# KiCad board demomatrix.kicad_pcb (continued)
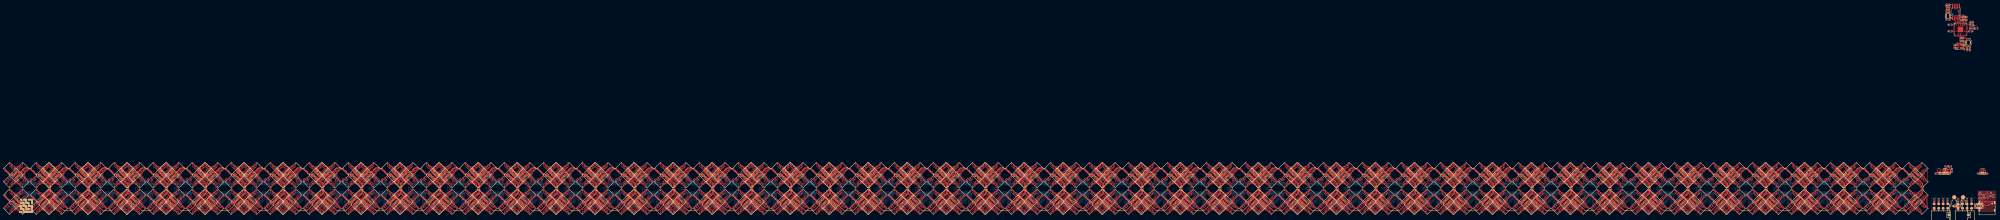
[diagram p0: board, top side]
## Routing (per net, layer and track width the routed paths; a pad name or vN(x,y) marks a point on that pad's centre or on a via; arc(x,y) is an arc through that point) (continued)
rgbs[1]-anodes-anode-304: length 9.3
  Top w0.2: LED434.4 -659.06,26.21 -659.06,25.22 -660.54,23.74 -660.79,23.74 -661.37,24.32 -662.01,24.32 -662.59,23.74 -662.84,23.74 -664.33,25.22 -664.33,26.2 LED433.3
rgbs[1]-anodes-anode-305: length 12.6
  Top w0.2: LED433.1 -665.17,27.06 -665.17,25.5 -663.01,23.34 -662.43,23.34 -661.84,23.92 -661.53,23.92 -660.95,23.34 -660.37,23.34 -658.21,25.49 -658.21,27.06 LED434.2
rgbs[1]-anodes-anode-306: length 4
  Top w0.2: LED434.6 -660.1,25.56 -661.12,25.56 -661.56,25.12 -661.82,25.12 -662.27,25.57 -663.47,25.57 LED433.5
rgbs[1]-anodes-anode-307: length 1.7
  Top w0.2: LED433.7 -662.42,24.72 -660.96,24.72 LED434.8
rgbs[1]-anodes-anode-308: length 9.3
  Top w0.2: LED438.4 -644.06,26.21 -644.06,25.22 -645.54,23.74 -645.79,23.74 -646.37,24.32 -647.01,24.32 -647.59,23.74 -647.84,23.74 -649.33,25.22 -649.33,26.2 LED437.3
rgbs[1]-anodes-anode-309: length 12.6
  Top w0.2: LED437.1 -650.17,27.06 -650.17,25.5 -648.01,23.34 -647.43,23.34 -646.84,23.92 -646.53,23.92 -645.95,23.34 -645.37,23.34 -643.21,25.49 -643.21,27.06 LED438.2
rgbs[1]-anodes-anode-310: length 4
  Top w0.2: LED437.5 -648.47,25.57 -647.27,25.57 -646.82,25.12 -646.56,25.12 -646.12,25.56 -645.1,25.56 LED438.6
rgbs[1]-anodes-anode-311: length 1.7
  Top w0.2: LED437.7 -647.42,24.72 -645.96,24.72 LED438.8
rgbs[1]-anodes-anode-312: length 9.3
  Top w0.2: LED441.3 -664.33,11.2 -664.33,10.22 -662.84,8.74 -662.59,8.74 -662.01,9.32 -661.37,9.32 -660.79,8.74 -660.54,8.74 -659.06,10.22 -659.06,11.21 LED442.4
rgbs[1]-anodes-anode-313: length 12.6
  Top w0.2: LED441.1 -665.17,12.06 -665.17,10.5 -663.01,8.34 -662.43,8.34 -661.84,8.92 -661.53,8.92 -660.95,8.34 -660.37,8.34 -658.21,10.49 -658.21,12.06 LED442.2
rgbs[1]-anodes-anode-314: length 4
  Top w0.2: LED442.6 -660.1,10.56 -661.12,10.56 -661.56,10.12 -661.82,10.12 -662.27,10.57 -663.47,10.57 LED441.5
rgbs[1]-anodes-anode-315: length 1.7
  Top w0.2: LED441.7 -662.42,9.72 -660.96,9.72 LED442.8
rgbs[1]-anodes-anode-316: length 9.3
  Top w0.2: LED445.3 -649.33,11.2 -649.33,10.22 -647.84,8.74 -647.59,8.74 -647.01,9.32 -646.37,9.32 -645.79,8.74 -645.54,8.74 -644.06,10.22 -644.06,11.21 LED446.4
rgbs[1]-anodes-anode-317: length 12.6
  Top w0.2: LED446.2 -643.21,12.06 -643.21,10.49 -645.37,8.34 -645.95,8.34 -646.53,8.92 -646.84,8.92 -647.43,8.34 -648.01,8.34 -650.17,10.5 -650.17,12.06 LED445.1
rgbs[1]-anodes-anode-318: length 4
  Top w0.2: LED445.5 -648.47,10.57 -647.27,10.57 -646.82,10.12 -646.56,10.12 -646.12,10.56 -645.1,10.56 LED446.6
rgbs[1]-anodes-anode-319: length 1.7
  Top w0.2: LED445.7 -647.42,9.72 -645.96,9.72 LED446.8
rgbs[1]-anodes-anode-320: length 9.3
  Top w0.2: LED449.3 -642.33,26.2 -642.33,25.22 -640.84,23.74 -640.59,23.74 -640.01,24.32 -639.37,24.32 -638.79,23.74 -638.54,23.74 -637.06,25.22 -637.06,26.21 LED450.4
rgbs[1]-anodes-anode-321: length 12.6
  Top w0.2: LED450.2 -636.21,27.06 -636.21,25.49 -638.37,23.34 -638.95,23.34 -639.53,23.92 -639.84,23.92 -640.43,23.34 -641.01,23.34 -643.17,25.5 -643.17,27.06 LED449.1
rgbs[1]-anodes-anode-322: length 4
  Top w0.2: LED450.6 -638.1,25.56 -639.12,25.56 -639.56,25.12 -639.82,25.12 -640.27,25.57 -641.47,25.57 LED449.5
rgbs[1]-anodes-anode-323: length 1.7
  Top w0.2: LED449.7 -640.42,24.72 -638.96,24.72 LED450.8
rgbs[1]-anodes-anode-324: length 9.3
  Top w0.2: LED453.3 -627.33,26.2 -627.33,25.22 -625.84,23.74 -625.59,23.74 -625.01,24.32 -624.37,24.32 -623.79,23.74 -623.54,23.74 -622.06,25.22 -622.06,26.21 LED454.4
rgbs[1]-anodes-anode-325: length 12.6
  Top w0.2: LED454.2 -621.21,27.06 -621.21,25.49 -623.37,23.34 -623.95,23.34 -624.53,23.92 -624.84,23.92 -625.43,23.34 -626.01,23.34 -628.17,25.5 -628.17,27.06 LED453.1
rgbs[1]-anodes-anode-326: length 4
  Top w0.2: LED453.5 -626.47,25.57 -625.27,25.57 -624.82,25.12 -624.56,25.12 -624.12,25.56 -623.1,25.56 LED454.6
rgbs[1]-anodes-anode-327: length 1.7
  Top w0.2: LED454.8 -623.96,24.72 -625.42,24.72 LED453.7
rgbs[1]-anodes-anode-328: length 9.3
  Top w0.2: LED457.3 -642.33,11.2 -642.33,10.22 -640.84,8.74 -640.59,8.74 -640.01,9.32 -639.37,9.32 -638.79,8.74 -638.54,8.74 -637.06,10.22 -637.06,11.21 LED458.4
rgbs[1]-anodes-anode-329: length 12.6
  Top w0.2: LED457.1 -643.17,12.06 -643.17,10.5 -641.01,8.34 -640.43,8.34 -639.84,8.92 -639.53,8.92 -638.95,8.34 -638.37,8.34 -636.21,10.49 -636.21,12.06 LED458.2
rgbs[1]-anodes-anode-330: length 4
  Top w0.2: LED458.6 -638.1,10.56 -639.12,10.56 -639.56,10.12 -639.82,10.12 -640.27,10.57 -641.47,10.57 LED457.5
rgbs[1]-anodes-anode-331: length 1.7
  Top w0.2: LED458.8 -638.96,9.72 -640.42,9.72 LED457.7
rgbs[1]-anodes-anode-332: length 9.3
  Top w0.2: LED462.4 -622.06,11.21 -622.06,10.22 -623.54,8.74 -623.79,8.74 -624.37,9.32 -625.01,9.32 -625.59,8.74 -625.84,8.74 -627.33,10.22 -627.33,11.2 LED461.3
rgbs[1]-anodes-anode-333: length 12.6
  Top w0.2: LED462.2 -621.21,12.06 -621.21,10.49 -623.37,8.34 -623.95,8.34 -624.53,8.92 -624.84,8.92 -625.43,8.34 -626.01,8.34 -628.17,10.5 -628.17,12.06 LED461.1
rgbs[1]-anodes-anode-334: length 4
  Top w0.2: LED461.5 -626.47,10.57 -625.27,10.57 -624.82,10.12 -624.56,10.12 -624.12,10.56 -623.1,10.56 LED462.6
rgbs[1]-anodes-anode-335: length 1.7
  Top w0.2: LED462.8 -623.96,9.72 -625.42,9.72 LED461.7
rgbs[1]-anodes-anode-336: length 9.3
  Top w0.2: LED466.4 -615.06,26.21 -615.06,25.22 -616.54,23.74 -616.79,23.74 -617.37,24.32 -618.01,24.32 -618.59,23.74 -618.84,23.74 -620.33,25.22 -620.33,26.2 LED465.3
rgbs[1]-anodes-anode-337: length 12.6
  Top w0.2: LED466.2 -614.21,27.06 -614.21,25.49 -616.37,23.34 -616.95,23.34 -617.53,23.92 -617.84,23.92 -618.43,23.34 -619.01,23.34 -621.17,25.5 -621.17,27.06 LED465.1
rgbs[1]-anodes-anode-338: length 4
  Top w0.2: LED465.5 -619.47,25.57 -618.27,25.57 -617.82,25.12 -617.56,25.12 -617.12,25.56 -616.1,25.56 LED466.6
rgbs[1]-anodes-anode-339: length 1.7
  Top w0.2: LED465.7 -618.42,24.72 -616.96,24.72 LED466.8
rgbs[1]-anodes-anode-340: length 9.3
  Top w0.2: LED469.3 -605.33,26.2 -605.33,25.22 -603.84,23.74 -603.59,23.74 -603.01,24.32 -602.37,24.32 -601.79,23.74 -601.54,23.74 -600.06,25.22 -600.06,26.21 LED470.4
rgbs[1]-anodes-anode-341: length 12.6
  Top w0.2: LED470.2 -599.21,27.06 -599.21,25.49 -601.37,23.34 -601.95,23.34 -602.53,23.92 -602.84,23.92 -603.43,23.34 -604.01,23.34 -606.17,25.5 -606.17,27.06 LED469.1
rgbs[1]-anodes-anode-342: length 4
  Top w0.2: LED469.5 -604.47,25.57 -603.27,25.57 -602.82,25.12 -602.56,25.12 -602.12,25.56 -601.1,25.56 LED470.6
rgbs[1]-anodes-anode-343: length 1.7
  Top w0.2: LED470.8 -601.96,24.72 -603.42,24.72 LED469.7
rgbs[1]-anodes-anode-344: length 9.3
  Top w0.2: LED474.4 -615.06,11.21 -615.06,10.22 -616.54,8.74 -616.79,8.74 -617.37,9.32 -618.01,9.32 -618.59,8.74 -618.84,8.74 -620.33,10.22 -620.33,11.2 LED473.3
rgbs[1]-anodes-anode-345: length 12.6
  Top w0.2: LED473.1 -621.17,12.06 -621.17,10.5 -619.01,8.34 -618.43,8.34 -617.84,8.92 -617.53,8.92 -616.95,8.34 -616.37,8.34 -614.21,10.49 -614.21,12.06 LED474.2
rgbs[1]-anodes-anode-346: length 4
  Top w0.2: LED473.5 -619.47,10.57 -618.27,10.57 -617.82,10.12 -617.56,10.12 -617.12,10.56 -616.1,10.56 LED474.6
rgbs[1]-anodes-anode-347: length 1.7
  Top w0.2: LED473.7 -618.42,9.72 -616.96,9.72 LED474.8
rgbs[1]-anodes-anode-348: length 9.3
  Top w0.2: LED477.3 -605.33,11.2 -605.33,10.22 -603.84,8.74 -603.59,8.74 -603.01,9.32 -602.37,9.32 -601.79,8.74 -601.54,8.74 -600.06,10.22 -600.06,11.21 LED478.4
rgbs[1]-anodes-anode-349: length 12.6
  Top w0.2: LED478.2 -599.21,12.06 -599.21,10.49 -601.37,8.34 -601.95,8.34 -602.53,8.92 -602.84,8.92 -603.43,8.34 -604.01,8.34 -606.17,10.5 -606.17,12.06 LED477.1
rgbs[1]-anodes-anode-350: length 4
  Top w0.2: LED477.5 -604.47,10.57 -603.27,10.57 -602.82,10.12 -602.56,10.12 -602.12,10.56 -601.1,10.56 LED478.6
rgbs[1]-anodes-anode-351: length 1.7
  Top w0.2: LED477.7 -603.42,9.72 -601.96,9.72 LED478.8
rgbs[1]-anodes-anode-352: length 9.3
  Top w0.2: LED34.4 -593.06,26.21 -593.06,25.22 -594.54,23.74 -594.79,23.74 -595.37,24.32 -596.01,24.32 -596.59,23.74 -596.84,23.74 -598.33,25.22 -598.33,26.2 LED33.3
rgbs[1]-anodes-anode-353: length 12.6
  Top w0.2: LED33.1 -599.17,27.06 -599.17,25.5 -597.01,23.34 -596.43,23.34 -595.84,23.92 -595.53,23.92 -594.95,23.34 -594.37,23.34 -592.21,25.49 -592.21,27.06 LED34.2
rgbs[1]-anodes-anode-354: length 4
  Top w0.2: LED33.5 -597.47,25.57 -596.27,25.57 -595.82,25.12 -595.56,25.12 -595.12,25.56 -594.1,25.56 LED34.6
rgbs[1]-anodes-anode-355: length 1.7
  Top w0.2: LED33.7 -596.42,24.72 -594.96,24.72 LED34.8
rgbs[1]-anodes-anode-356: length 9.3
  Top w0.2: LED37.3 -583.33,26.2 -583.33,25.22 -581.84,23.74 -581.59,23.74 -581.01,24.32 -580.37,24.32 -579.79,23.74 -579.54,23.74 -578.06,25.22 -578.06,26.21 LED38.4
rgbs[1]-anodes-anode-357: length 12.6
  Top w0.2: LED38.2 -577.21,27.06 -577.21,25.49 -579.37,23.34 -579.95,23.34 -580.53,23.92 -580.84,23.92 -581.43,23.34 -582.01,23.34 -584.17,25.5 -584.17,27.06 LED37.1
rgbs[1]-anodes-anode-358: length 4
  Top w0.2: LED38.6 -579.1,25.56 -580.12,25.56 -580.56,25.12 -580.82,25.12 -581.27,25.57 -582.47,25.57 LED37.5
rgbs[1]-anodes-anode-359: length 1.7
  Top w0.2: LED38.8 -579.96,24.72 -581.42,24.72 LED37.7
rgbs[1]-anodes-anode-360: length 9.3
  Top w0.2: LED41.3 -598.33,11.2 -598.33,10.22 -596.84,8.74 -596.59,8.74 -596.01,9.32 -595.37,9.32 -594.79,8.74 -594.54,8.74 -593.06,10.22 -593.06,11.21 LED42.4
rgbs[1]-anodes-anode-361: length 12.6
  Top w0.2: LED41.1 -599.17,12.06 -599.17,10.5 -597.01,8.34 -596.43,8.34 -595.84,8.92 -595.53,8.92 -594.95,8.34 -594.37,8.34 -592.21,10.49 -592.21,12.06 LED42.2
rgbs[1]-anodes-anode-362: length 4
  Top w0.2: LED41.5 -597.47,10.57 -596.27,10.57 -595.82,10.12 -595.56,10.12 -595.12,10.56 -594.1,10.56 LED42.6
rgbs[1]-anodes-anode-363: length 1.7
  Top w0.2: LED42.8 -594.96,9.72 -596.42,9.72 LED41.7
rgbs[1]-anodes-anode-364: length 9.3
  Top w0.2: LED46.4 -578.06,11.21 -578.06,10.22 -579.54,8.74 -579.79,8.74 -580.37,9.32 -581.01,9.32 -581.59,8.74 -581.84,8.74 -583.33,10.22 -583.33,11.2 LED45.3
rgbs[1]-anodes-anode-365: length 12.6
  Top w0.2: LED45.1 -584.17,12.06 -584.17,10.5 -582.01,8.34 -581.43,8.34 -580.84,8.92 -580.53,8.92 -579.95,8.34 -579.37,8.34 -577.21,10.49 -577.21,12.06 LED46.2
rgbs[1]-anodes-anode-366: length 4
  Top w0.2: LED45.5 -582.47,10.57 -581.27,10.57 -580.82,10.12 -580.56,10.12 -580.12,10.56 -579.1,10.56 LED46.6
rgbs[1]-anodes-anode-367: length 1.7
  Top w0.2: LED46.8 -579.96,9.72 -581.42,9.72 LED45.7
rgbs[1]-anodes-anode-368: length 9.3
  Top w0.2: LED481.3 -576.33,26.2 -576.33,25.22 -574.84,23.74 -574.59,23.74 -574.01,24.32 -573.37,24.32 -572.79,23.74 -572.54,23.74 -571.06,25.22 -571.06,26.21 LED482.4
rgbs[1]-anodes-anode-369: length 12.6
  Top w0.2: LED482.2 -570.21,27.06 -570.21,25.49 -572.37,23.34 -572.95,23.34 -573.53,23.92 -573.84,23.92 -574.43,23.34 -575.01,23.34 -577.17,25.5 -577.17,27.06 LED481.1
rgbs[1]-anodes-anode-370: length 4
  Top w0.2: LED482.6 -572.1,25.56 -573.12,25.56 -573.56,25.12 -573.82,25.12 -574.27,25.57 -575.47,25.57 LED481.5
rgbs[1]-anodes-anode-371: length 1.7
  Top w0.2: LED481.7 -574.42,24.72 -572.96,24.72 LED482.8
rgbs[1]-anodes-anode-372: length 9.3
  Top w0.2: LED486.4 -556.06,26.21 -556.06,25.22 -557.54,23.74 -557.79,23.74 -558.37,24.32 -559.01,24.32 -559.59,23.74 -559.84,23.74 -561.33,25.22 -561.33,26.2 LED485.3
rgbs[1]-anodes-anode-373: length 12.6
  Top w0.2: LED486.2 -555.21,27.06 -555.21,25.49 -557.37,23.34 -557.95,23.34 -558.53,23.92 -558.84,23.92 -559.43,23.34 -560.01,23.34 -562.17,25.5 -562.17,27.06 LED485.1
rgbs[1]-anodes-anode-374: length 4
  Top w0.2: LED486.6 -557.1,25.56 -558.12,25.56 -558.56,25.12 -558.82,25.12 -559.27,25.57 -560.47,25.57 LED485.5
rgbs[1]-anodes-anode-375: length 1.7
  Top w0.2: LED486.8 -557.96,24.72 -559.42,24.72 LED485.7
rgbs[1]-anodes-anode-376: length 9.3
  Top w0.2: LED490.4 -571.06,11.21 -571.06,10.22 -572.54,8.74 -572.79,8.74 -573.37,9.32 -574.01,9.32 -574.59,8.74 -574.84,8.74 -576.33,10.22 -576.33,11.2 LED489.3
rgbs[1]-anodes-anode-377: length 12.6
  Top w0.2: LED490.2 -570.21,12.06 -570.21,10.49 -572.37,8.34 -572.95,8.34 -573.53,8.92 -573.84,8.92 -574.43,8.34 -575.01,8.34 -577.17,10.5 -577.17,12.06 LED489.1
rgbs[1]-anodes-anode-378: length 4
  Top w0.2: LED489.5 -575.47,10.57 -574.27,10.57 -573.82,10.12 -573.56,10.12 -573.12,10.56 -572.1,10.56 LED490.6
rgbs[1]-anodes-anode-379: length 1.7
  Top w0.2: LED490.8 -572.96,9.72 -574.42,9.72 LED489.7
rgbs[1]-anodes-anode-380: length 9.3
  Top w0.2: LED493.3 -561.33,11.2 -561.33,10.22 -559.84,8.74 -559.59,8.74 -559.01,9.32 -558.37,9.32 -557.79,8.74 -557.54,8.74 -556.06,10.22 -556.06,11.21 LED494.4
rgbs[1]-anodes-anode-381: length 12.6
  Top w0.2: LED494.2 -555.21,12.06 -555.21,10.49 -557.37,8.34 -557.95,8.34 -558.53,8.92 -558.84,8.92 -559.43,8.34 -560.01,8.34 -562.17,10.5 -562.17,12.06 LED493.1
rgbs[1]-anodes-anode-382: length 4
  Top w0.2: LED493.5 -560.47,10.57 -559.27,10.57 -558.82,10.12 -558.56,10.12 -558.12,10.56 -557.1,10.56 LED494.6
rgbs[1]-anodes-anode-383: length 1.7
  Top w0.2: LED493.7 -559.42,9.72 -557.96,9.72 LED494.8
rgbs[1]-anodes-anode-384: length 9.3
  Top w0.2: LED498.4 -549.06,26.21 -549.06,25.22 -550.54,23.74 -550.79,23.74 -551.37,24.32 -552.01,24.32 -552.59,23.74 -552.84,23.74 -554.33,25.22 -554.33,26.2 LED497.3
rgbs[1]-anodes-anode-385: length 12.6
  Top w0.2: LED498.2 -548.21,27.06 -548.21,25.49 -550.37,23.34 -550.95,23.34 -551.53,23.92 -551.84,23.92 -552.43,23.34 -553.01,23.34 -555.17,25.5 -555.17,27.06 LED497.1
rgbs[1]-anodes-anode-386: length 4
  Top w0.2: LED498.6 -550.1,25.56 -551.12,25.56 -551.56,25.12 -551.82,25.12 -552.27,25.57 -553.47,25.57 LED497.5
rgbs[1]-anodes-anode-387: length 1.7
  Top w0.2: LED498.8 -550.96,24.72 -552.42,24.72 LED497.7
rgbs[1]-anodes-anode-388: length 9.3
  Top w0.2: LED501.3 -539.33,26.2 -539.33,25.22 -537.84,23.74 -537.59,23.74 -537.01,24.32 -536.37,24.32 -535.79,23.74 -535.54,23.74 -534.06,25.22 -534.06,26.21 LED502.4
rgbs[1]-anodes-anode-389: length 12.6
  Top w0.2: LED502.2 -533.21,27.06 -533.21,25.49 -535.37,23.34 -535.95,23.34 -536.53,23.92 -536.84,23.92 -537.43,23.34 -538.01,23.34 -540.17,25.5 -540.17,27.06 LED501.1
rgbs[1]-anodes-anode-390: length 4
  Top w0.2: LED502.6 -535.1,25.56 -536.12,25.56 -536.56,25.12 -536.82,25.12 -537.27,25.57 -538.47,25.57 LED501.5
rgbs[1]-anodes-anode-391: length 1.7
  Top w0.2: LED501.7 -537.42,24.72 -535.96,24.72 LED502.8
rgbs[1]-anodes-anode-392: length 9.3
  Top w0.2: LED505.3 -554.33,11.2 -554.33,10.22 -552.84,8.74 -552.59,8.74 -552.01,9.32 -551.37,9.32 -550.79,8.74 -550.54,8.74 -549.06,10.22 -549.06,11.21 LED506.4
rgbs[1]-anodes-anode-393: length 12.6
  Top w0.2: LED505.1 -555.17,12.06 -555.17,10.5 -553.01,8.34 -552.43,8.34 -551.84,8.92 -551.53,8.92 -550.95,8.34 -550.37,8.34 -548.21,10.49 -548.21,12.06 LED506.2
rgbs[1]-anodes-anode-394: length 4
  Top w0.2: LED505.5 -553.47,10.57 -552.27,10.57 -551.82,10.12 -551.56,10.12 -551.12,10.56 -550.1,10.56 LED506.6
rgbs[1]-anodes-anode-395: length 1.7
  Top w0.2: LED505.7 -552.42,9.72 -550.96,9.72 LED506.8
rgbs[1]-anodes-anode-396: length 9.3
  Top w0.2: LED510.4 -534.06,11.21 -534.06,10.22 -535.54,8.74 -535.79,8.74 -536.37,9.32 -537.01,9.32 -537.59,8.74 -537.84,8.74 -539.33,10.22 -539.33,11.2 LED509.3
rgbs[1]-anodes-anode-397: length 12.6
  Top w0.2: LED510.2 -533.21,12.06 -533.21,10.49 -535.37,8.34 -535.95,8.34 -536.53,8.92 -536.84,8.92 -537.43,8.34 -538.01,8.34 -540.17,10.5 -540.17,12.06 LED509.1
rgbs[1]-anodes-anode-398: length 4
  Top w0.2: LED509.5 -538.47,10.57 -537.27,10.57 -536.82,10.12 -536.56,10.12 -536.12,10.56 -535.1,10.56 LED510.6
rgbs[1]-anodes-anode-399: length 1.7
  Top w0.2: LED509.7 -537.42,9.72 -535.96,9.72 LED510.8
rgbs[1]-anodes-anode-400: length 9.3
  Top w0.2: LED514.4 -527.06,26.21 -527.06,25.22 -528.54,23.74 -528.79,23.74 -529.37,24.32 -530.01,24.32 -530.59,23.74 -530.84,23.74 -532.33,25.22 -532.33,26.2 LED513.3
rgbs[1]-anodes-anode-401: length 12.6
  Top w0.2: LED514.2 -526.21,27.06 -526.21,25.49 -528.37,23.34 -528.95,23.34 -529.53,23.92 -529.84,23.92 -530.43,23.34 -531.01,23.34 -533.17,25.5 -533.17,27.06 LED513.1
rgbs[1]-anodes-anode-402: length 4
  Top w0.2: LED514.6 -528.1,25.56 -529.12,25.56 -529.56,25.12 -529.82,25.12 -530.27,25.57 -531.47,25.57 LED513.5
rgbs[1]-anodes-anode-403: length 1.7
  Top w0.2: LED514.8 -528.96,24.72 -530.42,24.72 LED513.7
rgbs[1]-anodes-anode-404: length 9.3
  Top w0.2: LED517.3 -517.33,26.2 -517.33,25.22 -515.84,23.74 -515.59,23.74 -515.01,24.32 -514.37,24.32 -513.79,23.74 -513.54,23.74 -512.06,25.22 -512.06,26.21 LED518.4
rgbs[1]-anodes-anode-405: length 12.6
  Top w0.2: LED517.1 -518.17,27.06 -518.17,25.5 -516.01,23.34 -515.43,23.34 -514.84,23.92 -514.53,23.92 -513.95,23.34 -513.37,23.34 -511.21,25.49 -511.21,27.06 LED518.2
rgbs[1]-anodes-anode-406: length 4
  Top w0.2: LED517.5 -516.47,25.57 -515.27,25.57 -514.82,25.12 -514.56,25.12 -514.12,25.56 -513.1,25.56 LED518.6
rgbs[1]-anodes-anode-407: length 1.7
  Top w0.2: LED517.7 -515.42,24.72 -513.96,24.72 LED518.8
rgbs[1]-anodes-anode-408: length 9.3
  Top w0.2: LED521.3 -532.33,11.2 -532.33,10.22 -530.84,8.74 -530.59,8.74 -530.01,9.32 -529.37,9.32 -528.79,8.74 -528.54,8.74 -527.06,10.22 -527.06,11.21 LED522.4
rgbs[1]-anodes-anode-409: length 12.6
  Top w0.2: LED522.2 -526.21,12.06 -526.21,10.49 -528.37,8.34 -528.95,8.34 -529.53,8.92 -529.84,8.92 -530.43,8.34 -531.01,8.34 -533.17,10.5 -533.17,12.06 LED521.1
rgbs[1]-anodes-anode-410: length 4
  Top w0.2: LED522.6 -528.1,10.56 -529.12,10.56 -529.56,10.12 -529.82,10.12 -530.27,10.57 -531.47,10.57 LED521.5
rgbs[1]-anodes-anode-411: length 1.7
  Top w0.2: LED521.7 -530.42,9.72 -528.96,9.72 LED522.8
rgbs[1]-anodes-anode-412: length 9.3
  Top w0.2: LED526.4 -512.06,11.21 -512.06,10.22 -513.54,8.74 -513.79,8.74 -514.37,9.32 -515.01,9.32 -515.59,8.74 -515.84,8.74 -517.33,10.22 -517.33,11.2 LED525.3
rgbs[1]-anodes-anode-413: length 12.6
  Top w0.2: LED525.1 -518.17,12.06 -518.17,10.5 -516.01,8.34 -515.43,8.34 -514.84,8.92 -514.53,8.92 -513.95,8.34 -513.37,8.34 -511.21,10.49 -511.21,12.06 LED526.2
rgbs[1]-anodes-anode-414: length 4
  Top w0.2: LED526.6 -513.1,10.56 -514.12,10.56 -514.56,10.12 -514.82,10.12 -515.27,10.57 -516.47,10.57 LED525.5
rgbs[1]-anodes-anode-415: length 1.7
  Top w0.2: LED526.8 -513.96,9.72 -515.42,9.72 LED525.7
rgbs[1]-anodes-anode-416: length 9.3
  Top w0.2: LED529.3 -510.33,26.2 -510.33,25.22 -508.84,23.74 -508.59,23.74 -508.01,24.32 -507.37,24.32 -506.79,23.74 -506.54,23.74 -505.06,25.22 -505.06,26.21 LED530.4
rgbs[1]-anodes-anode-417: length 12.6
  Top w0.2: LED530.2 -504.21,27.06 -504.21,25.49 -506.37,23.34 -506.95,23.34 -507.53,23.92 -507.84,23.92 -508.43,23.34 -509.01,23.34 -511.17,25.5 -511.17,27.06 LED529.1
rgbs[1]-anodes-anode-418: length 4
  Top w0.2: LED530.6 -506.1,25.56 -507.12,25.56 -507.56,25.12 -507.82,25.12 -508.27,25.57 -509.47,25.57 LED529.5
rgbs[1]-anodes-anode-419: length 1.7
  Top w0.2: LED529.7 -508.42,24.72 -506.96,24.72 LED530.8
rgbs[1]-anodes-anode-420: length 9.3
  Top w0.2: LED533.3 -495.33,26.2 -495.33,25.22 -493.84,23.74 -493.59,23.74 -493.01,24.32 -492.37,24.32 -491.79,23.74 -491.54,23.74 -490.06,25.22 -490.06,26.21 LED534.4
rgbs[1]-anodes-anode-421: length 12.6
  Top w0.2: LED533.1 -496.17,27.06 -496.17,25.5 -494.01,23.34 -493.43,23.34 -492.84,23.92 -492.53,23.92 -491.95,23.34 -491.37,23.34 -489.21,25.49 -489.21,27.06 LED534.2
rgbs[1]-anodes-anode-422: length 4
  Top w0.2: LED533.5 -494.47,25.57 -493.27,25.57 -492.82,25.12 -492.56,25.12 -492.12,25.56 -491.1,25.56 LED534.6
rgbs[1]-anodes-anode-423: length 1.7
  Top w0.2: LED533.7 -493.42,24.72 -491.96,24.72 LED534.8
rgbs[1]-anodes-anode-424: length 9.3
  Top w0.2: LED538.4 -505.06,11.21 -505.06,10.22 -506.54,8.74 -506.79,8.74 -507.37,9.32 -508.01,9.32 -508.59,8.74 -508.84,8.74 -510.33,10.22 -510.33,11.2 LED537.3
rgbs[1]-anodes-anode-425: length 12.6
  Top w0.2: LED538.2 -504.21,12.06 -504.21,10.49 -506.37,8.34 -506.95,8.34 -507.53,8.92 -507.84,8.92 -508.43,8.34 -509.01,8.34 -511.17,10.5 -511.17,12.06 LED537.1
rgbs[1]-anodes-anode-426: length 4
  Top w0.2: LED538.6 -506.1,10.56 -507.12,10.56 -507.56,10.12 -507.82,10.12 -508.27,10.57 -509.47,10.57 LED537.5
rgbs[1]-anodes-anode-427: length 1.7
  Top w0.2: LED537.7 -508.42,9.72 -506.96,9.72 LED538.8
rgbs[1]-anodes-anode-428: length 9.3
  Top w0.2: LED542.4 -490.06,11.21 -490.06,10.22 -491.54,8.74 -491.79,8.74 -492.37,9.32 -493.01,9.32 -493.59,8.74 -493.84,8.74 -495.33,10.22 -495.33,11.2 LED541.3
rgbs[1]-anodes-anode-429: length 12.6
  Top w0.2: LED542.2 -489.21,12.06 -489.21,10.49 -491.37,8.34 -491.95,8.34 -492.53,8.92 -492.84,8.92 -493.43,8.34 -494.01,8.34 -496.17,10.5 -496.17,12.06 LED541.1
rgbs[1]-anodes-anode-430: length 4
  Top w0.2: LED541.5 -494.47,10.57 -493.27,10.57 -492.82,10.12 -492.56,10.12 -492.12,10.56 -491.1,10.56 LED542.6
rgbs[1]-anodes-anode-431: length 1.7
  Top w0.2: LED541.7 -493.42,9.72 -491.96,9.72 LED542.8
rgbs[1]-anodes-anode-432: length 9.3
  Top w0.2: LED545.3 -488.33,26.2 -488.33,25.22 -486.84,23.74 -486.59,23.74 -486.01,24.32 -485.37,24.32 -484.79,23.74 -484.54,23.74 -483.06,25.22 -483.06,26.21 LED546.4
rgbs[1]-anodes-anode-433: length 12.6
  Top w0.2: LED546.2 -482.21,27.06 -482.21,25.49 -484.37,23.34 -484.95,23.34 -485.53,23.92 -485.84,23.92 -486.43,23.34 -487.01,23.34 -489.17,25.5 -489.17,27.06 LED545.1
rgbs[1]-anodes-anode-434: length 4
  Top w0.2: LED546.6 -484.1,25.56 -485.12,25.56 -485.56,25.12 -485.82,25.12 -486.27,25.57 -487.47,25.57 LED545.5
rgbs[1]-anodes-anode-435: length 1.7
  Top w0.2: LED546.8 -484.96,24.72 -486.42,24.72 LED545.7
rgbs[1]-anodes-anode-436: length 9.3
  Top w0.2: LED550.4 -468.06,26.21 -468.06,25.22 -469.54,23.74 -469.79,23.74 -470.37,24.32 -471.01,24.32 -471.59,23.74 -471.84,23.74 -473.33,25.22 -473.33,26.2 LED549.3
rgbs[1]-anodes-anode-437: length 12.6
  Top w0.2: LED549.1 -474.17,27.06 -474.17,25.5 -472.01,23.34 -471.43,23.34 -470.84,23.92 -470.53,23.92 -469.95,23.34 -469.37,23.34 -467.21,25.49 -467.21,27.06 LED550.2
rgbs[1]-anodes-anode-438: length 4
  Top w0.2: LED549.5 -472.47,25.57 -471.27,25.57 -470.82,25.12 -470.56,25.12 -470.12,25.56 -469.1,25.56 LED550.6
rgbs[1]-anodes-anode-439: length 1.7
  Top w0.2: LED550.8 -469.96,24.72 -471.42,24.72 LED549.7
rgbs[1]-anodes-anode-440: length 9.3
  Top w0.2: LED553.3 -488.33,11.2 -488.33,10.22 -486.84,8.74 -486.59,8.74 -486.01,9.32 -485.37,9.32 -484.79,8.74 -484.54,8.74 -483.06,10.22 -483.06,11.21 LED554.4
rgbs[1]-anodes-anode-441: length 12.6
  Top w0.2: LED554.2 -482.21,12.06 -482.21,10.49 -484.37,8.34 -484.95,8.34 -485.53,8.92 -485.84,8.92 -486.43,8.34 -487.01,8.34 -489.17,10.5 -489.17,12.06 LED553.1
rgbs[1]-anodes-anode-442: length 4
  Top w0.2: LED553.5 -487.47,10.57 -486.27,10.57 -485.82,10.12 -485.56,10.12 -485.12,10.56 -484.1,10.56 LED554.6
rgbs[1]-anodes-anode-443: length 1.7
  Top w0.2: LED553.7 -486.42,9.72 -484.96,9.72 LED554.8
rgbs[1]-anodes-anode-444: length 9.3
  Top w0.2: LED557.3 -473.33,11.2 -473.33,10.22 -471.84,8.74 -471.59,8.74 -471.01,9.32 -470.37,9.32 -469.79,8.74 -469.54,8.74 -468.06,10.22 -468.06,11.21 LED558.4
rgbs[1]-anodes-anode-445: length 12.6
  Top w0.2: LED557.1 -474.17,12.06 -474.17,10.5 -472.01,8.34 -471.43,8.34 -470.84,8.92 -470.53,8.92 -469.95,8.34 -469.37,8.34 -467.21,10.49 -467.21,12.06 LED558.2
rgbs[1]-anodes-anode-446: length 4
  Top w0.2: LED557.5 -472.47,10.57 -471.27,10.57 -470.82,10.12 -470.56,10.12 -470.12,10.56 -469.1,10.56 LED558.6
rgbs[1]-anodes-anode-447: length 1.7
  Top w0.2: LED558.8 -469.96,9.72 -471.42,9.72 LED557.7
rgbs[1]-anodes-anode-448: length 9.3
  Top w0.2: LED562.4 -461.06,26.21 -461.06,25.22 -462.54,23.74 -462.79,23.74 -463.37,24.32 -464.01,24.32 -464.59,23.74 -464.84,23.74 -466.33,25.22 -466.33,26.2 LED561.3
rgbs[1]-anodes-anode-449: length 12.6
  Top w0.2: LED561.1 -467.17,27.06 -467.17,25.5 -465.01,23.34 -464.43,23.34 -463.84,23.92 -463.53,23.92 -462.95,23.34 -462.37,23.34 -460.21,25.49 -460.21,27.06 LED562.2
rgbs[1]-anodes-anode-450: length 4
  Top w0.2: LED562.6 -462.1,25.56 -463.12,25.56 -463.56,25.12 -463.82,25.12 -464.27,25.57 -465.47,25.57 LED561.5
rgbs[1]-anodes-anode-451: length 1.7
  Top w0.2: LED562.8 -462.96,24.72 -464.42,24.72 LED561.7
rgbs[1]-anodes-anode-452: length 9.3
  Top w0.2: LED566.4 -446.06,26.21 -446.06,25.22 -447.54,23.74 -447.79,23.74 -448.37,24.32 -449.01,24.32 -449.59,23.74 -449.84,23.74 -451.33,25.22 -451.33,26.2 LED565.3
rgbs[1]-anodes-anode-453: length 12.6
  Top w0.2: LED565.1 -452.17,27.06 -452.17,25.5 -450.01,23.34 -449.43,23.34 -448.84,23.92 -448.53,23.92 -447.95,23.34 -447.37,23.34 -445.21,25.49 -445.21,27.06 LED566.2
rgbs[1]-anodes-anode-454: length 4
  Top w0.2: LED565.5 -450.47,25.57 -449.27,25.57 -448.82,25.12 -448.56,25.12 -448.12,25.56 -447.1,25.56 LED566.6
rgbs[1]-anodes-anode-455: length 1.7
  Top w0.2: LED566.8 -447.96,24.72 -449.42,24.72 LED565.7
rgbs[1]-anodes-anode-456: length 9.3
  Top w0.2: LED569.3 -466.33,11.2 -466.33,10.22 -464.84,8.74 -464.59,8.74 -464.01,9.32 -463.37,9.32 -462.79,8.74 -462.54,8.74 -461.06,10.22 -461.06,11.21 LED570.4